# EAGLE board Mk4 Final Panel 8up 2x4 (EAGLE 9.0.1), part 3 of 23 (continued)
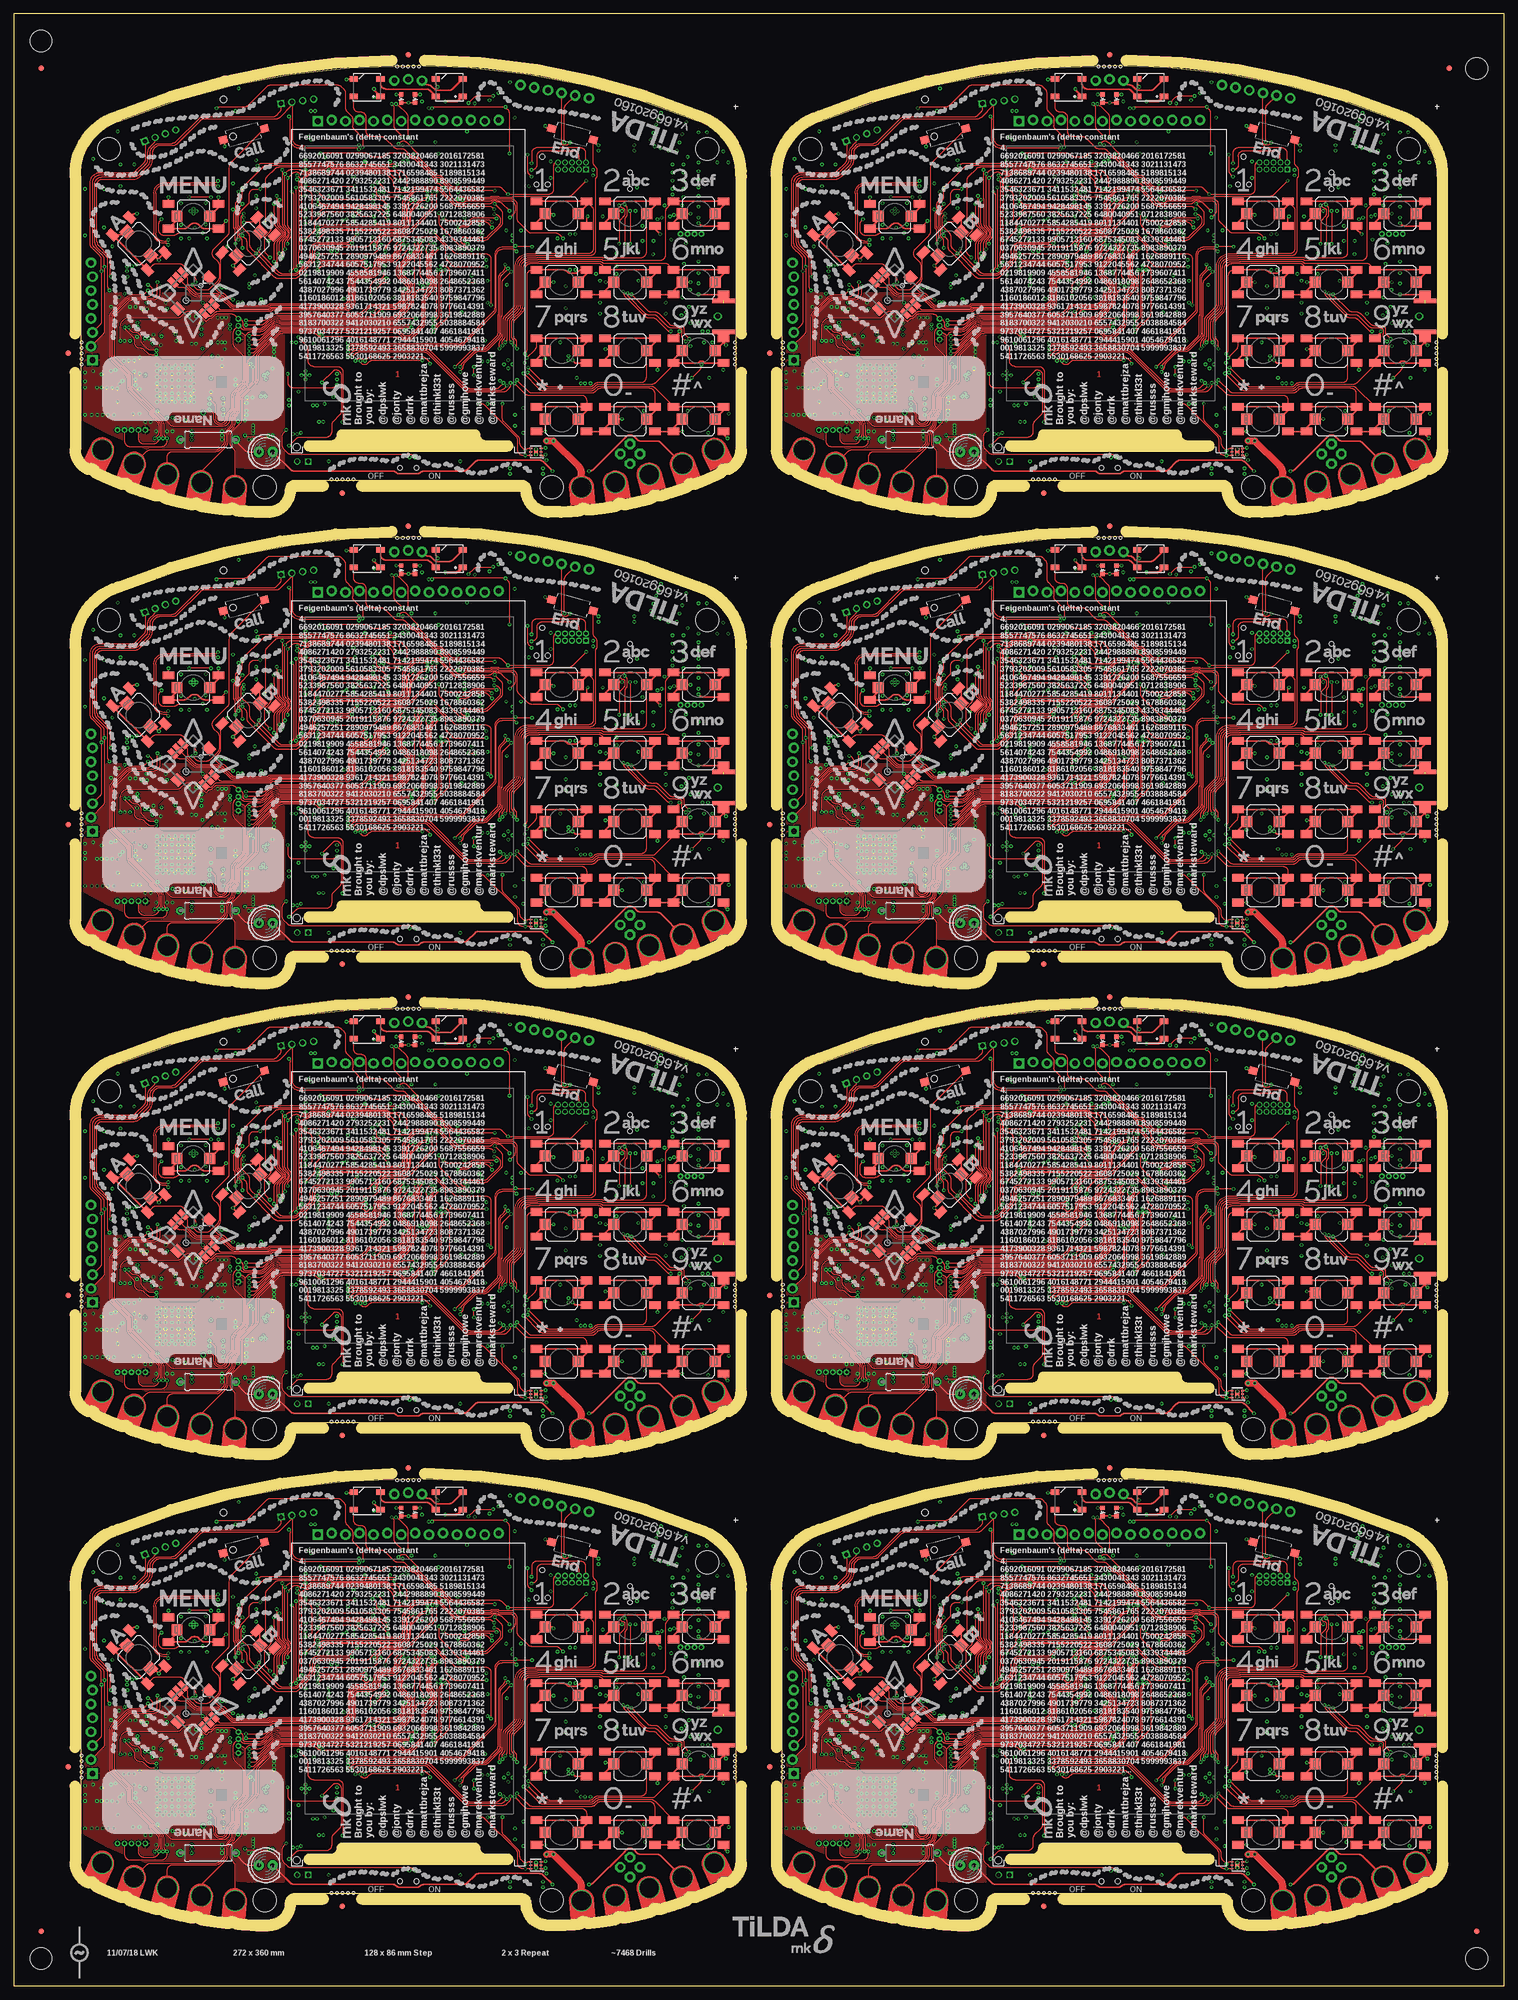
[diagram p0: board, top side]
## Placement (x,y rotation side) (continued)
R357  0402/1K/5%  [R0402-SMALLER]  102,216.25 180 bottom
R358  0402/1K/5%  [R0402-SMALLER]  102,215.25 180 bottom
R359  0402/10K/5%  [R0402-SMALLER]  92.75,231 90 bottom
R360  0402/10K/5%  [R0402-SMALLER]  93.75,231 90 bottom
R361  0402/10K/5%  [R0402-SMALLER]  94.25,233.5 180 bottom
R362  0402/22K/5%  [R0402-SMALLER]  92.25,233.5 0 bottom
R363  0402/22K/5%  [R0402-SMALLER]  92.25,232.5 0 bottom
R364  0402/14K7/5%  [R0402-SMALLER]  92.5,242.75 180 bottom
R365  0402/7K87/5%  [R0402-SMALLER]  90.5,242.75 0 bottom
R366  0402/10K/5%  [R0402-SMALLER]  97.5,238.5 270 bottom
R367  0402/10K/5%  [R0402-SMALLER]  99.75,233.75 180 bottom
R368  0402/10K/5%  [R0402-SMALLER]  106.25,243.5 180 bottom
R369  0402/150K/1%  [R0402-SMALLER]  33.95,243.45 0 bottom
R370  0402/150K/1%  [R0402-SMALLER]  33.95,242.45 0 bottom
R371  0402/10K/5%  [R0402-SMALLER]  116,197.75 90 bottom
R372  0402/732K/5%  [R0402-SMALLER]  40.95,198.35 270 bottom
R373  0402/162K/5%  [R0402-SMALLER]  41.95,198.35 90 bottom
R374  0402/10K/5%  [R0402-SMALLER]  24,200.75 270 bottom
R375  0402/100K/5%  [R0402-SMALLER]  21.25,219.2 90 bottom
R376  0402/100K/5%  [R0402-SMALLER]  22.25,219.2 90 bottom
R377  0402/100K/5%  [R0402-SMALLER]  25,200.75 270 bottom
R378  0402/10K/5%  [R0402-SMALLER]  20.5,224.25 90 bottom
R379  0402/100K/5%  [R0402-SMALLER]  23,221.25 180 bottom
R380  0402/100K/5%  [R0402-SMALLER]  37,203.75 180 bottom
R381  0402/100K/5%  [R0402-SMALLER]  37,201.75 180 bottom
R382  0402/100K/5%  [R0402-SMALLER]  38.75,210.5 90 bottom
R383  0402/100K/5%  [R0402-SMALLER]  30.5,200.25 270 bottom
R384  0402/100K/5%  [R0402-SMALLER]  26,199 270 bottom
R385  0402/100K/5%  [R0402-SMALLER]  21.25,213 90 bottom
R386  0402/10K/5%  [R0402-SMALLER]  86,211.75 90 bottom
R387  0402/150K/1%  [R0402-SMALLER]  33.95,244.4 0 bottom
R388  0402/150K/1%  [R0402-SMALLER]  34,241.5 0 bottom
R389  0402/10K/5%  [R0402-SMALLER]  30.75,240.5 0 bottom
R390  0402/0R/5%  [R0402-SMALLER]  33,245.5 180 bottom
R391  0402/12R/5%  [R0402-SMALLER]  212.5,223 270 bottom
R392  0402/12R/5%  [R0402-SMALLER]  211.5,223 270 bottom
R393  0402/12R/5%  [R0402-SMALLER]  210.5,223 270 bottom
R394  0402/12R/5%  [R0402-SMALLER]  209.5,223 270 bottom
R395  0402/2K/5%  [R0402-SMALLER]  201.27,258.5 270 bottom
R396  0402/4K7/5%  [R0402-SMALLER]  198.73,258.5 270 bottom
R397  0402/1K/5%  [R0402-SMALLER]  184.5,251.5 270 bottom
R398  0402/1K/5%  [R0402-SMALLER]  185.5,251.5 270 bottom
R399  0402/4K87/5%  [R0402-SMALLER]  190.25,241.25 0 bottom
R400  0402/10K/5%  [R0402-SMALLER]  198.5,249.25 180 bottom
R401  0402/1M/5%  [R0402-SMALLER]  190.75,243.75 90 bottom
R402  0402/2K/5%  [R0402-SMALLER]  203.75,246.95 90 bottom
R403  0402/1M/5%  [R0402-SMALLER]  217.75,262 270 bottom
R404  0402/100R/5%  [R0402-SMALLER]  218.25,258.5 180 bottom
R405  0402/10K/5%  [R0402-SMALLER]  207.5,228.25 270 bottom
R406  0402/10K/5%  [R0402-SMALLER]  218,225.75 90 bottom
R407  [0309/10]  163.5,196.25 180 top
R408  0402/10K/5%  [R0402-SMALLER]  177.75,199.25 90 bottom
R409  0402/10K/5%  [R0402-SMALLER]  185.75,207.25 0 bottom
R410  0402/10K/5%  [R0402-SMALLER]  185.75,206.25 180 bottom
R411  0402/2K/5%  [R0402-SMALLER]  185.75,208.25 180 bottom
R412  0402/10K/5%  [R0402-SMALLER]  181.25,214.5 180 bottom
R413  0402/10K/5%  [R0402-SMALLER]  181.25,213.5 180 bottom
R414  0402/10K/5%  [R0402-SMALLER]  181.75,212 90 bottom
R415  0402/4K7/5%  [R0402-SMALLER]  186.05,232.25 90 bottom
R416  0402/4K7/5%  [R0402-SMALLER]  187.05,232.25 90 bottom
R417  0402/4K7/5%  [R0402-SMALLER]  212.25,233 180 bottom
R418  0402/4K7/5%  [R0402-SMALLER]  212.25,231.75 180 bottom
R419  0402/100K/5%  [R0402-SMALLER]  165,200.75 180 bottom
R420  0402/51R/5%  [R0402-SMALLER]  237.5,236.5 90 bottom
R421  0402/51R/5%  [R0402-SMALLER]  239.5,236.5 90 bottom
R422  0402/51R/5%  [R0402-SMALLER]  240.5,236.5 90 bottom
R423  0402/4K7/5%  [R0402-SMALLER]  246.5,214.75 180 bottom
R424  0402/100K/5%  [R0402-SMALLER]  228.5,213.5 90 bottom
R425  0402/1K/5%  [R0402-SMALLER]  230,225.25 180 bottom
R426  0402/5K6/5%  [R0402-SMALLER]  230,218.25 0 bottom
R427  0402/1K/5%  [R0402-SMALLER]  230,226.25 180 bottom
R428  0402/1K/5%  [R0402-SMALLER]  230,223.25 180 bottom
R429  0402/1K/5%  [R0402-SMALLER]  230,222.25 180 bottom
R430  0402/1K/5%  [R0402-SMALLER]  230,221.25 180 bottom
R431  0402/1K/5%  [R0402-SMALLER]  230,217.25 180 bottom
R432  0402/1K/5%  [R0402-SMALLER]  230,219.25 180 bottom
R433  0402/5K6/5%  [R0402-SMALLER]  230,220.25 0 bottom
R434  0402/5K6/5%  [R0402-SMALLER]  230,224.25 0 bottom
R435  0402/1K/5%  [R0402-SMALLER]  230,216.25 180 bottom
R436  0402/1K/5%  [R0402-SMALLER]  230,215.25 180 bottom
R437  0402/10K/5%  [R0402-SMALLER]  220.75,231 90 bottom
R438  0402/10K/5%  [R0402-SMALLER]  221.75,231 90 bottom
R439  0402/10K/5%  [R0402-SMALLER]  222.25,233.5 180 bottom
R440  0402/22K/5%  [R0402-SMALLER]  220.25,233.5 0 bottom
R441  0402/22K/5%  [R0402-SMALLER]  220.25,232.5 0 bottom
R442  0402/14K7/5%  [R0402-SMALLER]  220.5,242.75 180 bottom
R443  0402/7K87/5%  [R0402-SMALLER]  218.5,242.75 0 bottom
R444  0402/10K/5%  [R0402-SMALLER]  225.5,238.5 270 bottom
R445  0402/10K/5%  [R0402-SMALLER]  227.75,233.75 180 bottom
R446  0402/10K/5%  [R0402-SMALLER]  234.25,243.5 180 bottom
R447  0402/150K/1%  [R0402-SMALLER]  161.95,243.45 0 bottom
R448  0402/150K/1%  [R0402-SMALLER]  161.95,242.45 0 bottom
R449  0402/10K/5%  [R0402-SMALLER]  244,197.75 90 bottom
R450  0402/732K/5%  [R0402-SMALLER]  168.95,198.35 270 bottom
R451  0402/162K/5%  [R0402-SMALLER]  169.95,198.35 90 bottom
R452  0402/10K/5%  [R0402-SMALLER]  152,200.75 270 bottom
R453  0402/100K/5%  [R0402-SMALLER]  149.25,219.2 90 bottom
R454  0402/100K/5%  [R0402-SMALLER]  150.25,219.2 90 bottom
R455  0402/100K/5%  [R0402-SMALLER]  153,200.75 270 bottom
R456  0402/10K/5%  [R0402-SMALLER]  148.5,224.25 90 bottom
R457  0402/100K/5%  [R0402-SMALLER]  151,221.25 180 bottom
R458  0402/100K/5%  [R0402-SMALLER]  165,203.75 180 bottom
R459  0402/100K/5%  [R0402-SMALLER]  165,201.75 180 bottom
R460  0402/100K/5%  [R0402-SMALLER]  166.75,210.5 90 bottom
R461  0402/100K/5%  [R0402-SMALLER]  158.5,200.25 270 bottom
R462  0402/100K/5%  [R0402-SMALLER]  154,199 270 bottom
R463  0402/100K/5%  [R0402-SMALLER]  149.25,213 90 bottom
R464  0402/10K/5%  [R0402-SMALLER]  214,211.75 90 bottom
R465  0402/150K/1%  [R0402-SMALLER]  161.95,244.4 0 bottom
R466  0402/150K/1%  [R0402-SMALLER]  162,241.5 0 bottom
R467  0402/10K/5%  [R0402-SMALLER]  158.75,240.5 0 bottom
R468  0402/0R/5%  [R0402-SMALLER]  161,245.5 180 bottom
R469  0402/12R/5%  [R0402-SMALLER]  84.5,309 270 bottom
R470  0402/12R/5%  [R0402-SMALLER]  83.5,309 270 bottom
R471  0402/12R/5%  [R0402-SMALLER]  82.5,309 270 bottom
R472  0402/12R/5%  [R0402-SMALLER]  81.5,309 270 bottom
R473  0402/2K/5%  [R0402-SMALLER]  73.27,344.5 270 bottom
R474  0402/4K7/5%  [R0402-SMALLER]  70.73,344.5 270 bottom
R475  0402/1K/5%  [R0402-SMALLER]  56.5,337.5 270 bottom
R476  0402/1K/5%  [R0402-SMALLER]  57.5,337.5 270 bottom
R477  0402/4K87/5%  [R0402-SMALLER]  62.25,327.25 0 bottom
R478  0402/10K/5%  [R0402-SMALLER]  70.5,335.25 180 bottom
R479  0402/1M/5%  [R0402-SMALLER]  62.75,329.75 90 bottom
R480  0402/2K/5%  [R0402-SMALLER]  75.75,332.95 90 bottom
R481  0402/1M/5%  [R0402-SMALLER]  89.75,348 270 bottom
R482  0402/100R/5%  [R0402-SMALLER]  90.25,344.5 180 bottom
R483  0402/10K/5%  [R0402-SMALLER]  79.5,314.25 270 bottom
R484  0402/10K/5%  [R0402-SMALLER]  90,311.75 90 bottom
R485  [0309/10]  35.5,282.25 180 top
R486  0402/10K/5%  [R0402-SMALLER]  49.75,285.25 90 bottom
R487  0402/10K/5%  [R0402-SMALLER]  57.75,293.25 0 bottom
R488  0402/10K/5%  [R0402-SMALLER]  57.75,292.25 180 bottom
R489  0402/2K/5%  [R0402-SMALLER]  57.75,294.25 180 bottom
R490  0402/10K/5%  [R0402-SMALLER]  53.25,300.5 180 bottom
R491  0402/10K/5%  [R0402-SMALLER]  53.25,299.5 180 bottom
R492  0402/10K/5%  [R0402-SMALLER]  53.75,298 90 bottom
R493  0402/4K7/5%  [R0402-SMALLER]  58.05,318.25 90 bottom
R494  0402/4K7/5%  [R0402-SMALLER]  59.05,318.25 90 bottom
R495  0402/4K7/5%  [R0402-SMALLER]  84.25,319 180 bottom
R496  0402/4K7/5%  [R0402-SMALLER]  84.25,317.75 180 bottom
R497  0402/100K/5%  [R0402-SMALLER]  37,286.75 180 bottom
R498  0402/51R/5%  [R0402-SMALLER]  109.5,322.5 90 bottom
R499  0402/51R/5%  [R0402-SMALLER]  111.5,322.5 90 bottom
R500  0402/51R/5%  [R0402-SMALLER]  112.5,322.5 90 bottom
R501  0402/4K7/5%  [R0402-SMALLER]  118.5,300.75 180 bottom
R502  0402/100K/5%  [R0402-SMALLER]  100.5,299.5 90 bottom
R503  0402/1K/5%  [R0402-SMALLER]  102,311.25 180 bottom
R504  0402/5K6/5%  [R0402-SMALLER]  102,304.25 0 bottom
R505  0402/1K/5%  [R0402-SMALLER]  102,312.25 180 bottom
R506  0402/1K/5%  [R0402-SMALLER]  102,309.25 180 bottom
R507  0402/1K/5%  [R0402-SMALLER]  102,308.25 180 bottom
R508  0402/1K/5%  [R0402-SMALLER]  102,307.25 180 bottom
R509  0402/1K/5%  [R0402-SMALLER]  102,303.25 180 bottom
R510  0402/1K/5%  [R0402-SMALLER]  102,305.25 180 bottom
R511  0402/5K6/5%  [R0402-SMALLER]  102,306.25 0 bottom
R512  0402/5K6/5%  [R0402-SMALLER]  102,310.25 0 bottom
R513  0402/1K/5%  [R0402-SMALLER]  102,302.25 180 bottom
R514  0402/1K/5%  [R0402-SMALLER]  102,301.25 180 bottom
R515  0402/10K/5%  [R0402-SMALLER]  92.75,317 90 bottom
R516  0402/10K/5%  [R0402-SMALLER]  93.75,317 90 bottom
R517  0402/10K/5%  [R0402-SMALLER]  94.25,319.5 180 bottom
R518  0402/22K/5%  [R0402-SMALLER]  92.25,319.5 0 bottom
R519  0402/22K/5%  [R0402-SMALLER]  92.25,318.5 0 bottom
R520  0402/14K7/5%  [R0402-SMALLER]  92.5,328.75 180 bottom
R521  0402/7K87/5%  [R0402-SMALLER]  90.5,328.75 0 bottom
R522  0402/10K/5%  [R0402-SMALLER]  97.5,324.5 270 bottom
R523  0402/10K/5%  [R0402-SMALLER]  99.75,319.75 180 bottom
R524  0402/10K/5%  [R0402-SMALLER]  106.25,329.5 180 bottom
R525  0402/150K/1%  [R0402-SMALLER]  33.95,329.45 0 bottom
R526  0402/150K/1%  [R0402-SMALLER]  33.95,328.45 0 bottom
R527  0402/10K/5%  [R0402-SMALLER]  116,283.75 90 bottom
R528  0402/732K/5%  [R0402-SMALLER]  40.95,284.35 270 bottom
R529  0402/162K/5%  [R0402-SMALLER]  41.95,284.35 90 bottom
R530  0402/10K/5%  [R0402-SMALLER]  24,286.75 270 bottom
R531  0402/100K/5%  [R0402-SMALLER]  21.25,305.2 90 bottom
R532  0402/100K/5%  [R0402-SMALLER]  22.25,305.2 90 bottom
R533  0402/100K/5%  [R0402-SMALLER]  25,286.75 270 bottom
R534  0402/10K/5%  [R0402-SMALLER]  20.5,310.25 90 bottom
R535  0402/100K/5%  [R0402-SMALLER]  23,307.25 180 bottom
R536  0402/100K/5%  [R0402-SMALLER]  37,289.75 180 bottom
R537  0402/100K/5%  [R0402-SMALLER]  37,287.75 180 bottom
R538  0402/100K/5%  [R0402-SMALLER]  38.75,296.5 90 bottom
R539  0402/100K/5%  [R0402-SMALLER]  30.5,286.25 270 bottom
R540  0402/100K/5%  [R0402-SMALLER]  26,285 270 bottom
R541  0402/100K/5%  [R0402-SMALLER]  21.25,299 90 bottom
R542  0402/10K/5%  [R0402-SMALLER]  86,297.75 90 bottom
R543  0402/150K/1%  [R0402-SMALLER]  33.95,330.4 0 bottom
R544  0402/150K/1%  [R0402-SMALLER]  34,327.5 0 bottom
R545  0402/10K/5%  [R0402-SMALLER]  30.75,326.5 0 bottom
R546  0402/0R/5%  [R0402-SMALLER]  33,331.5 180 bottom
R547  0402/12R/5%  [R0402-SMALLER]  212.5,309 270 bottom
R548  0402/12R/5%  [R0402-SMALLER]  211.5,309 270 bottom
R549  0402/12R/5%  [R0402-SMALLER]  210.5,309 270 bottom
R550  0402/12R/5%  [R0402-SMALLER]  209.5,309 270 bottom
R551  0402/2K/5%  [R0402-SMALLER]  201.27,344.5 270 bottom
R552  0402/4K7/5%  [R0402-SMALLER]  198.73,344.5 270 bottom
R553  0402/1K/5%  [R0402-SMALLER]  184.5,337.5 270 bottom
R554  0402/1K/5%  [R0402-SMALLER]  185.5,337.5 270 bottom
R555  0402/4K87/5%  [R0402-SMALLER]  190.25,327.25 0 bottom
R556  0402/10K/5%  [R0402-SMALLER]  198.5,335.25 180 bottom
R557  0402/1M/5%  [R0402-SMALLER]  190.75,329.75 90 bottom
R558  0402/2K/5%  [R0402-SMALLER]  203.75,332.95 90 bottom
R559  0402/1M/5%  [R0402-SMALLER]  217.75,348 270 bottom
R560  0402/100R/5%  [R0402-SMALLER]  218.25,344.5 180 bottom
R561  0402/10K/5%  [R0402-SMALLER]  207.5,314.25 270 bottom
R562  0402/10K/5%  [R0402-SMALLER]  218,311.75 90 bottom
R563  [0309/10]  163.5,282.25 180 top
R564  0402/10K/5%  [R0402-SMALLER]  177.75,285.25 90 bottom
R565  0402/10K/5%  [R0402-SMALLER]  185.75,293.25 0 bottom
R566  0402/10K/5%  [R0402-SMALLER]  185.75,292.25 180 bottom
R567  0402/2K/5%  [R0402-SMALLER]  185.75,294.25 180 bottom
R568  0402/10K/5%  [R0402-SMALLER]  181.25,300.5 180 bottom
R569  0402/10K/5%  [R0402-SMALLER]  181.25,299.5 180 bottom
R570  0402/10K/5%  [R0402-SMALLER]  181.75,298 90 bottom
R571  0402/4K7/5%  [R0402-SMALLER]  186.05,318.25 90 bottom
R572  0402/4K7/5%  [R0402-SMALLER]  187.05,318.25 90 bottom
R573  0402/4K7/5%  [R0402-SMALLER]  212.25,319 180 bottom
R574  0402/4K7/5%  [R0402-SMALLER]  212.25,317.75 180 bottom
R575  0402/100K/5%  [R0402-SMALLER]  165,286.75 180 bottom
R576  0402/51R/5%  [R0402-SMALLER]  237.5,322.5 90 bottom
R577  0402/51R/5%  [R0402-SMALLER]  239.5,322.5 90 bottom
R578  0402/51R/5%  [R0402-SMALLER]  240.5,322.5 90 bottom
R579  0402/4K7/5%  [R0402-SMALLER]  246.5,300.75 180 bottom
R580  0402/100K/5%  [R0402-SMALLER]  228.5,299.5 90 bottom
R581  0402/1K/5%  [R0402-SMALLER]  230,311.25 180 bottom
R582  0402/5K6/5%  [R0402-SMALLER]  230,304.25 0 bottom
R583  0402/1K/5%  [R0402-SMALLER]  230,312.25 180 bottom
R584  0402/1K/5%  [R0402-SMALLER]  230,309.25 180 bottom
R585  0402/1K/5%  [R0402-SMALLER]  230,308.25 180 bottom
R586  0402/1K/5%  [R0402-SMALLER]  230,307.25 180 bottom
R587  0402/1K/5%  [R0402-SMALLER]  230,303.25 180 bottom
R588  0402/1K/5%  [R0402-SMALLER]  230,305.25 180 bottom
R589  0402/5K6/5%  [R0402-SMALLER]  230,306.25 0 bottom
R590  0402/5K6/5%  [R0402-SMALLER]  230,310.25 0 bottom
R591  0402/1K/5%  [R0402-SMALLER]  230,302.25 180 bottom
R592  0402/1K/5%  [R0402-SMALLER]  230,301.25 180 bottom
R593  0402/10K/5%  [R0402-SMALLER]  220.75,317 90 bottom
R594  0402/10K/5%  [R0402-SMALLER]  221.75,317 90 bottom
R595  0402/10K/5%  [R0402-SMALLER]  222.25,319.5 180 bottom
R596  0402/22K/5%  [R0402-SMALLER]  220.25,319.5 0 bottom
R597  0402/22K/5%  [R0402-SMALLER]  220.25,318.5 0 bottom
R598  0402/14K7/5%  [R0402-SMALLER]  220.5,328.75 180 bottom
R599  0402/7K87/5%  [R0402-SMALLER]  218.5,328.75 0 bottom
R600  0402/10K/5%  [R0402-SMALLER]  225.5,324.5 270 bottom
R601  0402/10K/5%  [R0402-SMALLER]  227.75,319.75 180 bottom
R602  0402/10K/5%  [R0402-SMALLER]  234.25,329.5 180 bottom
R603  0402/150K/1%  [R0402-SMALLER]  161.95,329.45 0 bottom
R604  0402/150K/1%  [R0402-SMALLER]  161.95,328.45 0 bottom
R605  0402/10K/5%  [R0402-SMALLER]  244,283.75 90 bottom
R606  0402/732K/5%  [R0402-SMALLER]  168.95,284.35 270 bottom
R607  0402/162K/5%  [R0402-SMALLER]  169.95,284.35 90 bottom
R608  0402/10K/5%  [R0402-SMALLER]  152,286.75 270 bottom
R609  0402/100K/5%  [R0402-SMALLER]  149.25,305.2 90 bottom
R610  0402/100K/5%  [R0402-SMALLER]  150.25,305.2 90 bottom
R611  0402/100K/5%  [R0402-SMALLER]  153,286.75 270 bottom
R612  0402/10K/5%  [R0402-SMALLER]  148.5,310.25 90 bottom
R613  0402/100K/5%  [R0402-SMALLER]  151,307.25 180 bottom
R614  0402/100K/5%  [R0402-SMALLER]  165,289.75 180 bottom
R615  0402/100K/5%  [R0402-SMALLER]  165,287.75 180 bottom
R616  0402/100K/5%  [R0402-SMALLER]  166.75,296.5 90 bottom
R617  0402/100K/5%  [R0402-SMALLER]  158.5,286.25 270 bottom
R618  0402/100K/5%  [R0402-SMALLER]  154,285 270 bottom
R619  0402/100K/5%  [R0402-SMALLER]  149.25,299 90 bottom
R620  0402/10K/5%  [R0402-SMALLER]  214,297.75 90 bottom
R621  0402/150K/1%  [R0402-SMALLER]  161.95,330.4 0 bottom
R622  0402/150K/1%  [R0402-SMALLER]  162,327.5 0 bottom
R623  0402/10K/5%  [R0402-SMALLER]  158.75,326.5 0 bottom
R624  0402/0R/5%  [R0402-SMALLER]  161,331.5 180 bottom
S1  SKPMAPE010  [SKPMAPE010-COMBINED]  100,65.5 0 top
S2  SKPMAPE010  [SKPMAPE010-COMBINED]  112.5,65.5 0 top
S3  SKPMAPE010  [SKPMAPE010-COMBINED]  125,65.5 0 top
S4  SKPMAPE010  [SKPMAPE010-COMBINED]  100,53 0 top
S5  SKPMAPE010  [SKPMAPE010-COMBINED]  112.5,53 0 top
S6  SKPMAPE010  [SKPMAPE010-COMBINED]  125,53 0 top
S7  SKPMAPE010  [SKPMAPE010-COMBINED]  100,40.5 0 top
S8  SKPMAPE010  [SKPMAPE010-COMBINED]  112.5,40.5 0 top
S9  SKPMAPE010  [SKPMAPE010-COMBINED]  125,40.5 180 top
S10  SKPMAPE010  [SKPMAPE010-COMBINED]  100,28 0 top
S11  SKPMAPE010  [SKPMAPE010-COMBINED]  112.5,28 0 top
S12  SKPMAPE010  [SKPMAPE010-COMBINED]  125,28 0 top
S13  SKPMAPE010  [SKPMAPE010-COMBINED]  22.8,60 135 top
S14  SKPMAPE010  [SKPMAPE010-COMBINED]  32.8,65 180 top
S15  SKPMAPE010  [SKPMAPE010-COMBINED]  42.8,60 45 top
S16  3X6X2.5  [TACTILE_SWITCH_SMD_3X6X2.5H]  42,80 15 top
S17  3X6X2.5  [TACTILE_SWITCH_SMD_3X6X2.5H]  102,80 345 top
S18  CUS-12TB  [SWITCH-SPST-SMD-A]  72,19.1 180 bottom
S19  3X6X2.5  [TACTILE_SWITCH_SMD_3X6X2.5H]  84,20.25 180 bottom
S20  3X6X2.5  [TACTILE_SWITCH_SMD_3X6X2.5H]  60,20.25 180 bottom
S21  SKPMAPE010  [SKPMAPE010-COMBINED]  228,65.5 0 top
S22  AYZ0202AGRLC  [AYZ-JS-COMBINED]  112.5,71.5 90 bottom
S23  SKPMAPE010  [SKPMAPE010-COMBINED]  228,53 0 top
S24  SKPMAPE010  [SKPMAPE010-COMBINED]  228,40.5 0 top
S25  SKPMAPE010  [SKPMAPE010-COMBINED]  228,28 0 top
S26  SKPMAPE010  [SKPMAPE010-COMBINED]  240.5,65.5 0 top
S27  SKPMAPE010  [SKPMAPE010-COMBINED]  240.5,53 0 top
S28  SKPMAPE010  [SKPMAPE010-COMBINED]  240.5,40.5 0 top
S29  SKPMAPE010  [SKPMAPE010-COMBINED]  240.5,28 0 top
S30  SKPMAPE010  [SKPMAPE010-COMBINED]  253,65.5 0 top
S31  SKPMAPE010  [SKPMAPE010-COMBINED]  253,53 0 top
S32  SKPMAPE010  [SKPMAPE010-COMBINED]  253,40.5 180 top
S33  SKPMAPE010  [SKPMAPE010-COMBINED]  253,28 0 top
S34  SKPMAPE010  [SKPMAPE010-COMBINED]  170.8,60 45 top
S35  SKPMAPE010  [SKPMAPE010-COMBINED]  150.8,60 135 top
S36  SKPMAPE010  [SKPMAPE010-COMBINED]  160.8,65 180 top
S37  3X6X2.5  [TACTILE_SWITCH_SMD_3X6X2.5H]  170,80 15 top
S38  3X6X2.5  [TACTILE_SWITCH_SMD_3X6X2.5H]  230,80 345 top
S39  CUS-12TB  [SWITCH-SPST-SMD-A]  200,19.1 180 bottom
S40  3X6X2.5  [TACTILE_SWITCH_SMD_3X6X2.5H]  212,20.25 180 bottom
S41  3X6X2.5  [TACTILE_SWITCH_SMD_3X6X2.5H]  188,20.25 180 bottom
S42  AYZ0202AGRLC  [AYZ-JS-COMBINED]  240.5,71.5 90 bottom
S43  SKPMAPE010  [SKPMAPE010-COMBINED]  100,151.5 0 top
S44  SKPMAPE010  [SKPMAPE010-COMBINED]  100,139 0 top
S45  SKPMAPE010  [SKPMAPE010-COMBINED]  100,126.5 0 top
S46  SKPMAPE010  [SKPMAPE010-COMBINED]  100,114 0 top
S47  SKPMAPE010  [SKPMAPE010-COMBINED]  112.5,151.5 0 top
S48  SKPMAPE010  [SKPMAPE010-COMBINED]  112.5,139 0 top
S49  SKPMAPE010  [SKPMAPE010-COMBINED]  112.5,126.5 0 top
S50  SKPMAPE010  [SKPMAPE010-COMBINED]  112.5,114 0 top
S51  SKPMAPE010  [SKPMAPE010-COMBINED]  125,151.5 0 top
S52  SKPMAPE010  [SKPMAPE010-COMBINED]  125,139 0 top
S53  SKPMAPE010  [SKPMAPE010-COMBINED]  125,126.5 180 top
S54  SKPMAPE010  [SKPMAPE010-COMBINED]  125,114 0 top
S55  SKPMAPE010  [SKPMAPE010-COMBINED]  42.8,146 45 top
S56  SKPMAPE010  [SKPMAPE010-COMBINED]  22.8,146 135 top
S57  SKPMAPE010  [SKPMAPE010-COMBINED]  32.8,151 180 top
S58  3X6X2.5  [TACTILE_SWITCH_SMD_3X6X2.5H]  42,166 15 top
S59  3X6X2.5  [TACTILE_SWITCH_SMD_3X6X2.5H]  102,166 345 top
S60  CUS-12TB  [SWITCH-SPST-SMD-A]  72,105.1 180 bottom
S61  3X6X2.5  [TACTILE_SWITCH_SMD_3X6X2.5H]  84,106.25 180 bottom
S62  3X6X2.5  [TACTILE_SWITCH_SMD_3X6X2.5H]  60,106.25 180 bottom
S63  AYZ0202AGRLC  [AYZ-JS-COMBINED]  112.5,157.5 90 bottom
S64  SKPMAPE010  [SKPMAPE010-COMBINED]  228,151.5 0 top
S65  SKPMAPE010  [SKPMAPE010-COMBINED]  228,139 0 top
S66  SKPMAPE010  [SKPMAPE010-COMBINED]  228,126.5 0 top
S67  SKPMAPE010  [SKPMAPE010-COMBINED]  228,114 0 top
S68  SKPMAPE010  [SKPMAPE010-COMBINED]  240.5,151.5 0 top
S69  SKPMAPE010  [SKPMAPE010-COMBINED]  240.5,139 0 top
S70  SKPMAPE010  [SKPMAPE010-COMBINED]  240.5,126.5 0 top
S71  SKPMAPE010  [SKPMAPE010-COMBINED]  240.5,114 0 top
S72  SKPMAPE010  [SKPMAPE010-COMBINED]  253,151.5 0 top
S73  SKPMAPE010  [SKPMAPE010-COMBINED]  253,139 0 top
S74  SKPMAPE010  [SKPMAPE010-COMBINED]  253,126.5 180 top
S75  SKPMAPE010  [SKPMAPE010-COMBINED]  253,114 0 top
S76  SKPMAPE010  [SKPMAPE010-COMBINED]  170.8,146 45 top
S77  SKPMAPE010  [SKPMAPE010-COMBINED]  150.8,146 135 top
S78  SKPMAPE010  [SKPMAPE010-COMBINED]  160.8,151 180 top
S79  3X6X2.5  [TACTILE_SWITCH_SMD_3X6X2.5H]  170,166 15 top
S80  3X6X2.5  [TACTILE_SWITCH_SMD_3X6X2.5H]  230,166 345 top
S81  CUS-12TB  [SWITCH-SPST-SMD-A]  200,105.1 180 bottom
S82  3X6X2.5  [TACTILE_SWITCH_SMD_3X6X2.5H]  212,106.25 180 bottom
S83  3X6X2.5  [TACTILE_SWITCH_SMD_3X6X2.5H]  188,106.25 180 bottom
S84  AYZ0202AGRLC  [AYZ-JS-COMBINED]  240.5,157.5 90 bottom
S85  SKPMAPE010  [SKPMAPE010-COMBINED]  100,237.5 0 top
S86  SKPMAPE010  [SKPMAPE010-COMBINED]  100,225 0 top
S87  SKPMAPE010  [SKPMAPE010-COMBINED]  100,212.5 0 top
S88  SKPMAPE010  [SKPMAPE010-COMBINED]  100,200 0 top
S89  SKPMAPE010  [SKPMAPE010-COMBINED]  112.5,237.5 0 top
S90  SKPMAPE010  [SKPMAPE010-COMBINED]  112.5,225 0 top
S91  SKPMAPE010  [SKPMAPE010-COMBINED]  112.5,212.5 0 top
S92  SKPMAPE010  [SKPMAPE010-COMBINED]  112.5,200 0 top
S93  SKPMAPE010  [SKPMAPE010-COMBINED]  125,237.5 0 top
S94  SKPMAPE010  [SKPMAPE010-COMBINED]  125,225 0 top
S95  SKPMAPE010  [SKPMAPE010-COMBINED]  125,212.5 180 top
S96  SKPMAPE010  [SKPMAPE010-COMBINED]  125,200 0 top
S97  SKPMAPE010  [SKPMAPE010-COMBINED]  42.8,232 45 top
S98  SKPMAPE010  [SKPMAPE010-COMBINED]  22.8,232 135 top
S99  SKPMAPE010  [SKPMAPE010-COMBINED]  32.8,237 180 top
S100  3X6X2.5  [TACTILE_SWITCH_SMD_3X6X2.5H]  42,252 15 top
S101  3X6X2.5  [TACTILE_SWITCH_SMD_3X6X2.5H]  102,252 345 top
S102  CUS-12TB  [SWITCH-SPST-SMD-A]  72,191.1 180 bottom
S103  3X6X2.5  [TACTILE_SWITCH_SMD_3X6X2.5H]  84,192.25 180 bottom
S104  3X6X2.5  [TACTILE_SWITCH_SMD_3X6X2.5H]  60,192.25 180 bottom
S105  AYZ0202AGRLC  [AYZ-JS-COMBINED]  112.5,243.5 90 bottom
S106  SKPMAPE010  [SKPMAPE010-COMBINED]  228,237.5 0 top
S107  SKPMAPE010  [SKPMAPE010-COMBINED]  228,225 0 top
S108  SKPMAPE010  [SKPMAPE010-COMBINED]  228,212.5 0 top
S109  SKPMAPE010  [SKPMAPE010-COMBINED]  228,200 0 top
S110  SKPMAPE010  [SKPMAPE010-COMBINED]  240.5,237.5 0 top
S111  SKPMAPE010  [SKPMAPE010-COMBINED]  240.5,225 0 top
S112  SKPMAPE010  [SKPMAPE010-COMBINED]  240.5,212.5 0 top
S113  SKPMAPE010  [SKPMAPE010-COMBINED]  240.5,200 0 top
S114  SKPMAPE010  [SKPMAPE010-COMBINED]  253,237.5 0 top
S115  SKPMAPE010  [SKPMAPE010-COMBINED]  253,225 0 top
S116  SKPMAPE010  [SKPMAPE010-COMBINED]  253,212.5 180 top
S117  SKPMAPE010  [SKPMAPE010-COMBINED]  253,200 0 top
S118  SKPMAPE010  [SKPMAPE010-COMBINED]  170.8,232 45 top
S119  SKPMAPE010  [SKPMAPE010-COMBINED]  150.8,232 135 top
S120  SKPMAPE010  [SKPMAPE010-COMBINED]  160.8,237 180 top
S121  3X6X2.5  [TACTILE_SWITCH_SMD_3X6X2.5H]  170,252 15 top
S122  3X6X2.5  [TACTILE_SWITCH_SMD_3X6X2.5H]  230,252 345 top
S123  CUS-12TB  [SWITCH-SPST-SMD-A]  200,191.1 180 bottom
S124  3X6X2.5  [TACTILE_SWITCH_SMD_3X6X2.5H]  212,192.25 180 bottom
S125  3X6X2.5  [TACTILE_SWITCH_SMD_3X6X2.5H]  188,192.25 180 bottom
S126  AYZ0202AGRLC  [AYZ-JS-COMBINED]  240.5,243.5 90 bottom
S127  SKPMAPE010  [SKPMAPE010-COMBINED]  100,323.5 0 top
S128  SKPMAPE010  [SKPMAPE010-COMBINED]  100,311 0 top
S129  SKPMAPE010  [SKPMAPE010-COMBINED]  100,298.5 0 top
S130  SKPMAPE010  [SKPMAPE010-COMBINED]  100,286 0 top
S131  SKPMAPE010  [SKPMAPE010-COMBINED]  112.5,323.5 0 top
S132  SKPMAPE010  [SKPMAPE010-COMBINED]  112.5,311 0 top
S133  SKPMAPE010  [SKPMAPE010-COMBINED]  112.5,298.5 0 top
S134  SKPMAPE010  [SKPMAPE010-COMBINED]  112.5,286 0 top
S135  SKPMAPE010  [SKPMAPE010-COMBINED]  125,323.5 0 top
S136  SKPMAPE010  [SKPMAPE010-COMBINED]  125,311 0 top
S137  SKPMAPE010  [SKPMAPE010-COMBINED]  125,298.5 180 top
S138  SKPMAPE010  [SKPMAPE010-COMBINED]  125,286 0 top
S139  SKPMAPE010  [SKPMAPE010-COMBINED]  42.8,318 45 top
S140  SKPMAPE010  [SKPMAPE010-COMBINED]  22.8,318 135 top
S141  SKPMAPE010  [SKPMAPE010-COMBINED]  32.8,323 180 top
S142  3X6X2.5  [TACTILE_SWITCH_SMD_3X6X2.5H]  42,338 15 top
S143  3X6X2.5  [TACTILE_SWITCH_SMD_3X6X2.5H]  102,338 345 top
S144  CUS-12TB  [SWITCH-SPST-SMD-A]  72,277.1 180 bottom
S145  3X6X2.5  [TACTILE_SWITCH_SMD_3X6X2.5H]  84,278.25 180 bottom
S146  3X6X2.5  [TACTILE_SWITCH_SMD_3X6X2.5H]  60,278.25 180 bottom
S147  AYZ0202AGRLC  [AYZ-JS-COMBINED]  112.5,329.5 90 bottom
S148  SKPMAPE010  [SKPMAPE010-COMBINED]  228,323.5 0 top
S149  SKPMAPE010  [SKPMAPE010-COMBINED]  228,311 0 top
S150  SKPMAPE010  [SKPMAPE010-COMBINED]  228,298.5 0 top
S151  SKPMAPE010  [SKPMAPE010-COMBINED]  228,286 0 top
S152  SKPMAPE010  [SKPMAPE010-COMBINED]  240.5,323.5 0 top
S153  SKPMAPE010  [SKPMAPE010-COMBINED]  240.5,311 0 top
S154  SKPMAPE010  [SKPMAPE010-COMBINED]  240.5,298.5 0 top
S155  SKPMAPE010  [SKPMAPE010-COMBINED]  240.5,286 0 top
S156  SKPMAPE010  [SKPMAPE010-COMBINED]  253,323.5 0 top
S157  SKPMAPE010  [SKPMAPE010-COMBINED]  253,311 0 top
S158  SKPMAPE010  [SKPMAPE010-COMBINED]  253,298.5 180 top
S159  SKPMAPE010  [SKPMAPE010-COMBINED]  253,286 0 top
S160  SKPMAPE010  [SKPMAPE010-COMBINED]  170.8,318 45 top
S161  SKPMAPE010  [SKPMAPE010-COMBINED]  150.8,318 135 top
S162  SKPMAPE010  [SKPMAPE010-COMBINED]  160.8,323 180 top